# Altium PCB Test.PcbDoc (part 2 of 3) (continued)
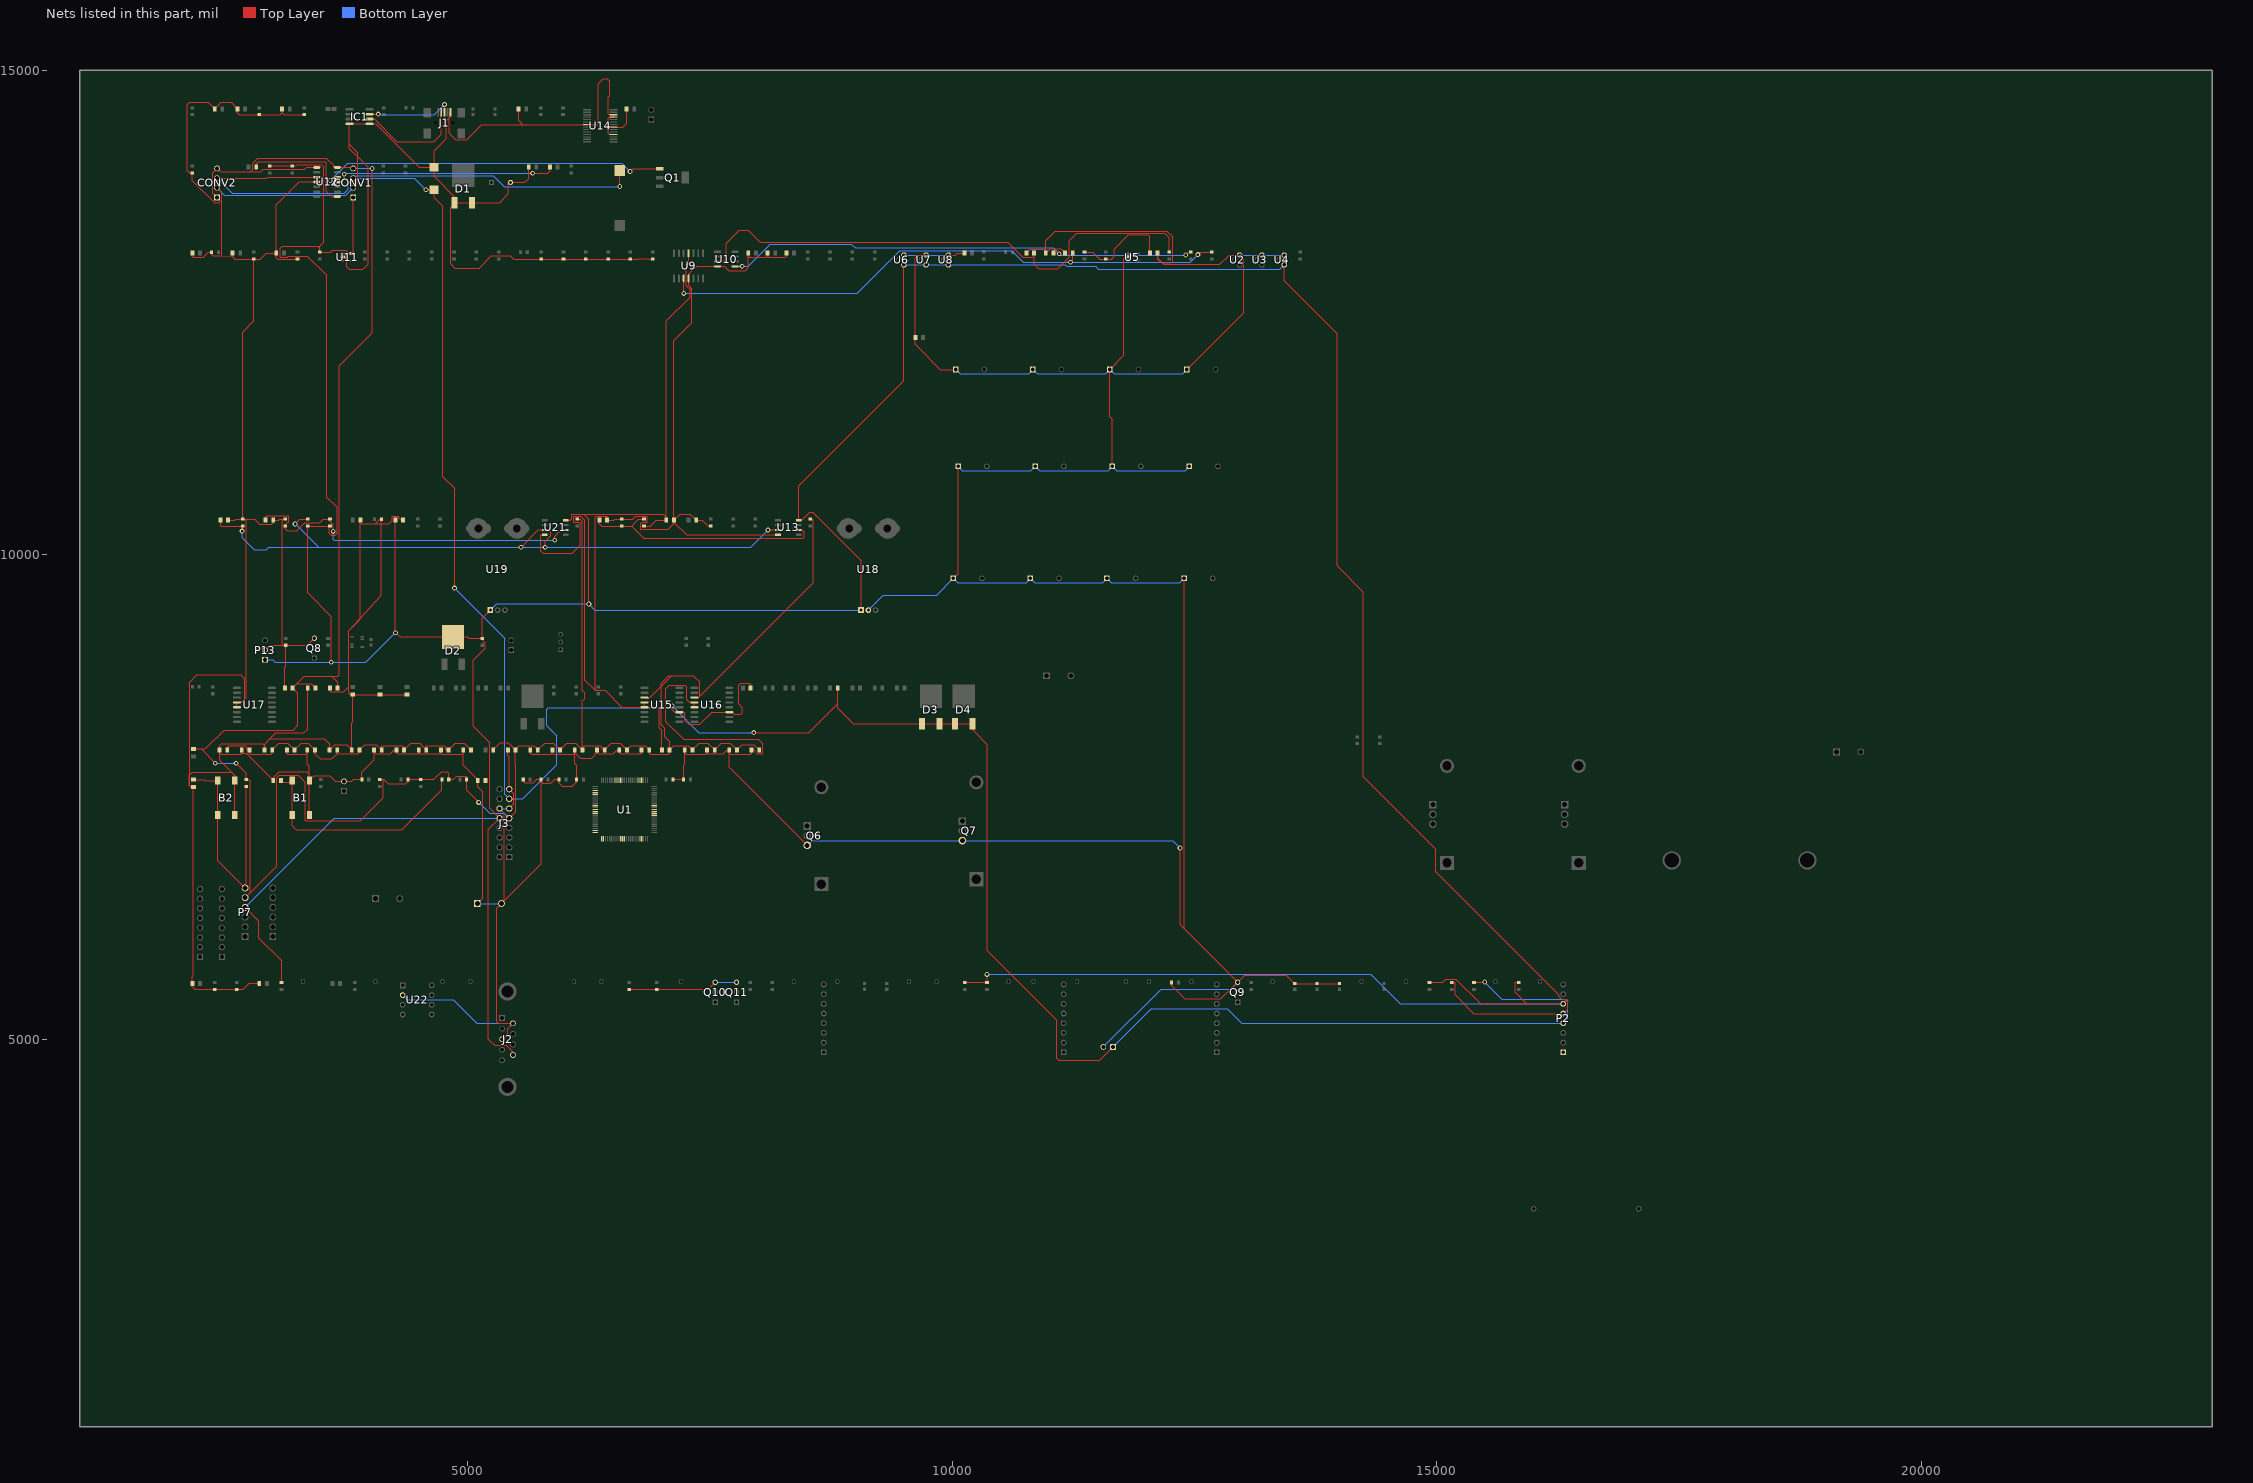
[diagram p2: the nets of this part, all layers, seen from the top]
## Part data (continued)
U12: library part CMP-1093-00004-1, "Step-Down DC/DC Controller, -40 to 150 degC, PG-DSO-14-1, Reel, Green", Manufacturer=Infineon, Tolerance=3%, ComponentLink1Description="Manufacturer URL", ComponentLink1URL=http://www.infineon.com/, ComponentLink2Description=Datasheet, ComponentLink2URL=http://www.infineon.com/dgdl/TLE6389-2-3_DS_21.pdf?folderId=db3a304412b407950112b408e8c90004&fileId=db3a304412b407950112b43641bf65a6&location=en.Products.Power_Management_ICs.DC_DC.DC_DC-Converter__Automotive_.DATASHEET.TLE6389-2-3_DS_21.pdf, ComponentLink3Description="Package Specification", ComponentLink3URL=http://www.infineon.com/dgdl/DCDC-Controller-IFX80471-Data-Sheet-V10-Infineon.pdf?folderId=db3a304314dca3890115039cf70d0bf0&fileId=db3a30432e398416012e487ec6e42599, DatasheetVersion="Rev. 2.1", Green=TRUE, Halogen-free=TRUE, IQ (max)="2,300 mA", Iq (typ)="130 uA", Mounting Technology="Surface Mount", Output="Buck Converter", PackageDescription="14-Pin Plastic (Green) Dual Small Outline Package, 8.65 x 3.9 mm Body, 1.27 mm Pitch", PackageReference=PG-DSO-14-1, PackageVersion=Apr-11, Packing=Reel, PartNumber="TLE6389-2G V50", VQ (max)=5V
U13 U21: library part CMP-1305-00048-1, "Low Offset Voltage Dual Comparators, 2 to 36 V, 0 to 70 degC, 8-Pin SOIC, Pb-Free, Tape and Reel", Manufacturer="On Semiconductor", ComponentLink1Description="Manufacturer URL", ComponentLink1URL=http://www.onsemi.com/, ComponentLink2Description=Datasheet, ComponentLink2URL=http://www.onsemi.com/pub_link/Collateral/LM393-D.PDF, ComponentLink3Description="Package Specification", ComponentLink3URL=http://www.onsemi.com/pub_link/Collateral/751-07.PDF, DatasheetVersion="Rev. 25", ICC Typ (mA)=0.4, IO Typ (mA)=16, Mounting Technology="Surface Mount", PackageDescription="8-Pin Small Outline Integrated Circuit, Body 4.9 x 3.9 mm, Pitch 1.27 mm", PackageReference=SOIC-8-751-07, PackageVersion="Rev. AK, 02/2011", Packing="Tape and Reel", PartNumber=LM393DR2G, RoHS=TRUE, VCC Max (V)=36, VCC Min (V)=2
U14: library part FTDI-CMP28-0078-00029-3, "USB UART Asynchronous Serial Data Transfer Chip, 28-pin SSOP, Tape and Reel", PartNumber=FT232RL-Reel, ComponentLink1Description="Manufacturer URL", ComponentLink1URL=http://www.ftdichip.com/, ComponentLink2Description=Datasheet, ComponentLink2URL=http://www.ftdichip.com/Support/Documents/DataSheets/ICs/DS_FT232R.pdf, DatasheetVersion="ver 2.10, Mar-2012", Manufacturer=FTDI, PackageDescription="28-Pin Small Outline Package 0.65 mm Pitch", PackageReference=SSOP-28, PackageVersion=Mar-12, RevisionNote="DatasheetVersion updated to 2.10 Mar-2012"
U15 U16 U17: library part GATE_DRIVER_2EDS8265HXUMA2, "2EDS8265HXUMA2 / Gate-Driver 8A", Case/Package="SOIC W", Manufacturer=Exar, Max Operating Temperature=70°C, Max Power Dissipation=1.26W, Max Supply Voltage=5.5V, Min Operating Temperature=0°C, Min Supply Voltage=3V, Nominal Supply Current=1mA, Package Quantity=41, Category="RS-232 / RS-422 / RS-485 Interface ICs", ComponentLink1Description=https://datasheet.ciiva.com/22828/0900766b81141d49-22828237.pdf?src-supplier=RSComponents, ComponentLink1URL=https://datasheet.ciiva.com/22828/0900766b81141d49-22828237.pdf?src-supplier=RSComponents, ComponentLink2Description=https://datasheet.ciiva.com/1715/sp3222eb-sp3232eb-103-081414-1715199.pdf?src-supplier=Digi-Key, ComponentLink2URL=https://datasheet.ciiva.com/1715/sp3222eb-sp3232eb-103-081414-1715199.pdf?src-supplier=Digi-Key, ComponentLink3Description=https://datasheet.ciiva.com/16380/sp3232ebca-l-16380121.pdf?src-supplier=Future+Electronics, ComponentLink3URL=https://datasheet.ciiva.com/16380/sp3232ebca-l-16380121.pdf?src-supplier=Future+Electronics, ComponentLink4Description=https://datasheet.ciiva.com/15208/getdatasheetpartid-558353-15208838.pdf?src-supplier=Verical, ComponentLink4URL=https://datasheet.ciiva.com/15208/getdatasheetpartid-558353-15208838.pdf?src-supplier=Verical, Height=2.55mm, Lead Free="Lead Free", Length=10.3mm, Logic Function=Transceiver, Manufacturer Part Number=2EDS8265HXUMA2, Number of Drivers=2, Number of I/Os=4, Number of Pins=16, Number of Receivers=2, Number of Transceivers=1, Number of Transmitters=2, Packaging=Rail/Tube, Propagation Delay=0.15us, Radiation Hardening=No, RoHS=Yes, Series=-, Supplier 1="Allied Electronics", Supply Current=1mA, Width=7.5mm
U18 U19: library part ACS758LCB-CMP-82923-000254-1, "SENSOR CURRENT HALL 50A AC/DC", Current Sensing=50A, Frequency=120kHz, Max Operating Temperature=150°C, Max Supply Current=13.5mA, Max Supply Voltage=5.5V, Min Operating Temperature=-40°C, Min Supply Voltage=3V, Operating Supply Voltage=5V, Output Current=1mA, Package Quantity=34, Quiescent Current=10mA, Accuracy=2%, Bandwidth=120kHz, Height=7mm, Lead Free="Lead Free", Length=10mm, Linearity=1%, Mount="Through Hole", Number of Channels=1, Number of Pins=5, Packaging=Rail/Tube, Polarity=Bidirectional, Radiation Hardening=No, REACH SVHC="No SVHC", Response Time=4us, RoHS Compliant=Yes, Sensitivity=40mV/A, Series=-, Width=13mm
U22: library part CMP-0186-00101-2, "High-Speed CAN Transceiver, 8-Pin PDIP, Industrial Temperature", Code_JEDEC=MS-001, ComponentLink1Description="Manufacturer URL", ComponentLink1URL=http://www.microchip.com/, ComponentLink2Description=Datasheet, ComponentLink2URL=http://ww1.microchip.com/downloads/en/DeviceDoc/21667F.pdf, ComponentLink3Description="Package Specification", ComponentLink3URL=http://www.microchip.com/stellent/groups/techpub_sg/documents/packagingspec/en012702.pdf, DatasheetVersion="revF, Jul-2010", PackageDescription="8-Lead Plastic Dual In-Line (P) - 300 mil Body [PDIP]", PackageReference=PDIP300-P8, PackageVersion="revBB, Aug-2009", RevisionNote="URLs added. DatasheetVersion updated."
CONV1 CONV2: Name=STDN-3A24-ADJ, Reference=100.387.25, Supplier=hestore

## Via types
v1: diameter 50, hole 28, Top Layer to Bottom Layer, 158 vias

## Nets (pads, with @x,y where several pads share a name; then routed paths per layer and width w, separated by ;. In a path a pad name is that pad's centre, name@x,y a point inside that pad or via, vN(x,y) a via of type N, cw(c..) or ccw(c..) an arc to the next point about the centre after c; other vN are vias at no path point)
0.19V: C67.1 R76.2 R77.1 U13.6 | length 2485.9
  Top Layer w10: C67.1@6360.63,10355 6360.63,10320 6386.06,10294.57 R77.1@6590,10294.57 6692,10294.57 ; R76.2@6819.99,10365.43 6762.87,10365.43 6692,10294.57 ; U13.6@8417.87,10255 8448,10255 8472,10231 8472,10180 8461,10169 6817.57,10169 6692,10294.57
1.5625V: C71.1 R83.2 R85.1 U21.6 | length 3641.8
  Top Layer w10: C71.1@2915.63,10355 2915.63,10390 2925.63,10400 3144,10400 3154,10390 3154,10335 3143,10335 3120,10312 R85.1@3120,10294.57 3120,10267 3140,10247 3237.43,10247 3319.43,10329 3475,10329 3511.43,10365.43 R83.2@3579.99,10365.43 3579.99,10346.01 3600,10326 3614,10326 v1(3614,10240) ; v1(5900,10148) 5900,10188 5967,10255 U21.6@6012.87,10255
  Bottom Layer w10: v1(3614,10240) 3614,10160 3626,10148 v1(5900,10148)
1V8: C88.2 C89.2 C90.2 C91.2 C92.2 C93.2 C94.2 C95.2 C96.2 C97.2 C98.2 C99.2 U1.3 U1.14 U1.37 U1.63 U1.81 U1.91 | length 3225.6
  Top Layer w10: C88.2@2519.37,7985 2519.37,8012.29 2533.08,8026 2705,8026 2722,8009 2722,7985 C89.2@2749.37,7985 2749.37,7950 2759.37,7940 2974.37,7940 2984.37,7950 C90.2@2984.37,7985 3053.37,8054 3145.37,8054 C91.2@3214.37,7985 3283.37,8054 3355.37,8054 C92.2@3424.37,7985 3424.37,7947.63 3480,7892 3600,7892 3654.37,7946.37 ; C93.2@3654.37,7985 3654.37,7946.37 ; C96.2@4344.37,7985 C96.2@4344.37,7999.09 ; C99.2@5034.37,7985 4964.37,8055 4874.37,8055 C98.2@4804.37,7985 4777,7985 4777,8009 4760,8026 4574.37,8026 C97.2@4574.37,7985 4507.37,8052 4411.37,8052 4358.46,7999.09 C96.2@4344.37,7999.09 ; 3654.37,7946.37 3656.74,7944 3870,7944 3884.37,7958.37 C94.2@3884.37,7985 3939.37,8040 4059.37,8040 C95.2@4114.37,7985 4114.37,8026 4330,8026 4344.37,8011.63 C96.2@4344.37,7999.09
3.3V: C70.1 R82.2 R84.1 U13.3 U21.3 | length 7135.6
  Top Layer w10: C70.1@2450.63,10355 2450.63,10299 2455.06,10294.57 R84.1@2680,10294.57 2680,10248 v1(2674,10242) ; v1(3221,10317) 3269.43,10365.43 R82.2@3349.99,10365.43 ; v1(5552,10076) 5731,10255 U21.3@5797.13,10255 5837,10255 5858,10234 5858,10194 5800,10136 v1(5800,10076) ; v1(8100,10255) U13.3@8202.13,10255
  Bottom Layer w10: v1(2674,10242) 2674,10175 2800,10049 2923,10049 2950,10076 3462,10076 ; v1(3221,10317) 3462,10076 ; v1(8100,10255) 7921,10076 v1(5800,10076) v1(5552,10076) 3462,10076
3V3: C62.2 C63.2 C64.2 C75.2 C76.2 C77.2 C78.2 C79.2 C80.2 C81.2 C82.2 C83.2 C84.2 C85.2 C86.2 C87.2 C100.2 CONV1.4 CONV2.1 CONV2.4 J3.9 P2.6 P7.5 R7.2 R8.2 R10.2 R11.2 R12.2 R72.2 R78.2 R86.2 R87.2 R96.2 R97.2 R102.2 U1.5 U1.13 U1.25 U1.38 U1.46 U1.61 U1.79 U1.93 U12.1 U12.14 U15.3 U16.3 | length 36282.9
  Top Layer w10: C100.2@2170,7994.37 2249.63,7994.37 ; v1(2396,7848) 2249.63,7994.37 ; CONV2.1@2415,13685 2370,13730 2370,13940 CONV2.4@2415,13985 2451,13949 2760,13949 ; v1(2612,7848) 2714.99,7745.01 R102.2@2714.99,7680.43 2735.57,7680.43 2756,7660 2756,6511 ; P7.5@2705,6460 2756,6511 ; C63.2@3429.37,8625 3388.37,8666 3235.37,8666 ; U12.1@3443.7,13995 3341,13995 3321,13975 2891,13975 2865,13949 2760,13949 ; C64.2@3659.37,8625 3659.37,8683.63 3600,8743 ; CONV1.4@3820,13985 3795.47,13985 3785.47,13995 U12.14@3656.3,13995 3618,13995 3618,14015 3541,14092 2836,14092 2784,14040 2784,13973 2760,13949 ; v1(4016,13985) 4016,12291 3674,11949 3674,8758 3659,8743 3600,8743 ; R10.2@4094.99,7680.43 4118.57,7680.43 ; v1(5114,7444) 4990.43,7567.57 R7.2@4990.43,7680.01 4990.43,7703.57 4980,7714 4885.99,7714 4852,7680.01 R8.2@4805.43,7680.01 4805.43,7741.57 4787,7760 4733,7760 4653.43,7680.43 R12.2@4514.99,7680.43 4450.43,7680.43 4450,7680.01 R11.2@4385.43,7680.01 4385.43,7658.87 4360,7633.43 4180.57,7633.43 4133.57,7680.43 4118.57,7680.43 ; C87.2@5264.37,7985 5337.37,8058 5421.37,8058 C75.2@5494.37,7985 ; J3.9@5430,7280 5498,7348 5498,7825.37 5494.37,7829 C75.2@5494.37,7985 ; R78.2@6129.99,10365.43 6160,10365.43 6185,10340.43 6185,8594.35 6206.7,8572.65 6206.7,8514.35 6184.37,8492.02 6184.37,8026 ; U15.3@6824.88,8525 6882,8525 6998,8641 ; U16.3@7339.88,8525 7382,8525 7397,8540 ; C86.2@8009.37,7985 7954.37,8040 7834.37,8040 C85.2@7779.37,7985 7711.37,8053 7617.37,8053 C84.2@7549.37,7985 7479.37,8055 7389.37,8055 C83.2@7319.37,7985 7276.37,8028 7127.37,8028 C82.2@7084.37,7985 ; R72.2@8534.99,10365.43 8569,10365.43 8569,9712 7397,8540 ; R96.2@10129.99,5585.43 R97.2@10359.99,5585.43 v1(10359.99,5669) ; R87.2@14924.99,5585.43 15059.43,5585.43 15094,5620 15198,5620 15453,5365 15930,5365 ; R86.2@15844.99,5585.43 15811,5585.43 15811,5484 15930,5365 ; P2.6@16305,5365 15930,5365 ; 2249.63,7994.37 2292.37,7994.37 2488,8190 3200,8190 3250,8240 3250,8569.37 C62.2@3194.37,8625 3235.37,8666 ; 2756,6511 3031,6786 3031,7700 3057,7726 3251,7726 3326,7651 3326,7254 3893,7254 4129,7490 4129,7670 4118.57,7680.43 ; 3235.37,8666 3312.37,8743 3600,8743 ; C75.2@5494.37,7985 5535.37,8026 5683.37,8026 C76.2@5724.37,7985 5795.37,8056 5883.37,8056 C77.2@5954.37,7985 6021.37,8052 6117.37,8052 C78.2@6184.37,7985 6184.37,8026 ; 6184.37,8026 6370,8026 6387,8009 6387,7985 C79.2@6414.37,7985 6484.37,8055 6574.37,8055 C80.2@6644.37,7985 6685.37,8026 6833.37,8026 C81.2@6874.37,7985 6874.37,7950 6884.37,7940 7074.37,7940 7084.37,7950 C82.2@7084.37,7985 ; 6998,8641 7109,8752 ; 6998,8641 6998,8672.92 7077.08,8752 7109,8752 ; 6998,8641 6998,8244.46 7032.47,8209.99 7032.47,8119.58 7084.37,8067.68 C82.2@7084.37,7985 ; 7109,8752 7331,8752 7397,8686 7397,8540
  Bottom Layer w10: v1(2396,7848) v1(2612,7848) ; CONV1.4@3820,13985 v1(4016,13985) ; v1(5114,7444) 5228,7330 5380,7330 J3.9@5430,7280 ; v1(10359.99,5669) 14321,5669 14625,5365 P2.6@16305,5365
5V: C66.1 C68.1 CONV1.1 D2.4 J2.9 J3.10 P2.5 P7.4 P13.1 R40.2 R47.2 R48.2 R56.2 R76.1 R82.1 R83.1 R88.2 R93.2 U4.1 U6.1 U7.1 U8.1 U9.11 U11.5 U13.8 U18.1 U19.1 U21.8 | length 48480.3
  Top Layer w10: P7.4@2705,6360 2847,6218 2847,6043 3079.99,5810.01 R93.2@3079.99,5585.43 ; R47.2@2959.99,14010.43 3082.09,14010.43 3084.89,14013.24 3161.96,14013.24 3164.77,14010.43 R48.2@3189.99,14010.43 3232,14010.43 3245.57,14024 3492,14024 3516,14000 3516,13221 3474.99,13179.99 3474.99,13160 ; R83.1@3580,10294.57 R83.1@3574,10294.57 ; v1(3594,8890) 3594,9361 3350,9605 R82.1@3350,10294.57 R83.1@3574,10294.57 ; CONV1.1@3820,13685 3820,13107.4 U11.5@3807.24,13107.4 3776,13107.4 3742.4,13141 3604,13141 3583.43,13120.43 R40.2@3474.99,13120.43 3474.99,13160 ; C68.1@4255.63,10355 v1(4255.63,9194) 4305.63,9150 D2.4@4850,9150 5000,9150 5014.57,9135.43 R56.2@5149.99,9135.43 ; U19.1@5234.8,9427.42 5149.99,9342.61 R56.2@5149.99,9135.43 ; J2.9@5467.95,4836.42 5467.95,4869.05 5401,4936 5279,4936 5215,5000 5215,7165 J3.10@5330,7280 5229,7381 5229,8059.3 5059,8229.3 5059,8909.3 5183.7,9034 5183.7,9095.32 5160,9095.32 R56.2@5149.99,9135.43 ; U21.8@6012.87,10355 6059,10355 6076.29,10372.29 6076.29,10416.18 6200,10416.18 ; v1(6251,9491) 6251,10365.18 6200,10416.18 ; R76.1@6820,10294.57 6886.57,10294.57 6947,10355 C66.1@7050.63,10355 7050.63,10385.37 ; U9.11@7280,13110 7280,13005 7255,12980 7255,12776 7295,12736 7295,12656 7050.63,12411.63 7050.63,10385.37 ; U13.8@8417.87,10355 U13.8@8418,10355 ; U18.1@9059.8,9427.42 9059.8,9935.2 8560,10435 8529,10435 8449,10355 U13.8@8418,10355 ; U6.1@9501.25,12990 9501.25,11796.25 8418,10713 U13.8@8418,10355 ; U4.1@13426.25,12990 13426.25,12824.75 13973,12278 13973,9883 14242,9614 14242,7710 14991,6961 14991,6729 16260,5460 16260,5442 16292,5410 16339.53,5410 16349.53,5400 16349.53,5309.53 P2.5@16305,5265 15382,5265 15189,5458 15189,5585.43 R88.2@15154.99,5585.43 ; 3474.99,13160 3454.99,13180 3089,13180 3069,13160 3069,13069.41 3139,13069.41 3150.59,13081 3348,13081 3549,12880 3549,10593 3654,10488 3654,10220 3634,10200 3594,10200 3574,10220 R83.1@3574,10294.57 ; 6200,10416.18 7019.82,10416.18 7050.63,10385.37
  Bottom Layer w10: P7.4@2705,6360 3625,7280 J3.10@5330,7280 ; P13.1@2910,8915 2990,8915 3015,8890 v1(3594,8890) 3951.63,8890 v1(4255.63,9194) ; U19.1@5234.8,9427.42 5298.38,9491 v1(6251,9491) 6314,9428 9007.58,9427.42 U18.1@9059.8,9427.42 ; U6.1@9501.25,12990 U7.1@9731.25,12990 U8.1@9961.25,12990 11166,12990 11183,12973 11480,12973 11507,12946 13382.25,12946 U4.1@13426.25,12990
10V: C17.1 C50.2 C54.2 CON1.1 CONV1.3 CONV2.3 D3.1 D3.3 D4.1 D4.3 J3.13 L1.2 P2.4 R89.2 U12.3 U15.11 U16.11 | length 31296.1
  Top Layer w10: CONV2.3@2415,13885 2929,13885 2939,13895 U12.3@3443.7,13895 ; v1(4569.94,13764.84) C17.1@4655,13764.84 4655,13684 4745,13594 4745,10806 4866,10685 v1(4866,9654) ; v1(6570,13798) L1.2@6570,13963.07 ; v1(7109,8440) 7109,8406 7140,8375 U15.11@7185.12,8375 7230,8375 7242,8363 7242,8290.19 7284,8248.19 7397,8248.19 7523.81,8375 U16.11@7700.12,8375 7739,8375 7739,8362 7750,8351 7820,8351 7836,8367 7836,8420 7796,8460 7796,8650 7820,8674 7905.37,8674 7919.37,8660 C50.2@7919.37,8625 ; v1(7952,8163) 8520,8163 8819.37,8462.37 ; C54.2@8819.37,8625 8819.37,8462.37 ; CON1.1@11660,4920 11522,4782 11100,4782 11080,4802 11080,5194 10363,5911 10363,8040.16 10210.16,8193 D4.3@10210.16,8256.77 D4.1@10029.84,8256.77 D3.3@9870.16,8256.77 D3.1@9689.84,8256.77 9689.84,8256 8980.37,8256 8819.37,8417 8819.37,8462.37 ; R89.2@15384.99,5585.43 15491.43,5585.43 v1(15496,5590)
  Bottom Layer w10: CONV2.3@2415,13885 2571.13,13728.87 3726.87,13728.87 3768,13770 3768,13833 CONV1.3@3820,13885 ; v1(4569.94,13764.84) 4449.78,13885 CONV1.3@3820,13885 ; v1(4866,9654) 5382,9138 5382,7528 J3.13@5430,7480 5570,7480 5922,7832 5922,8130 5816,8236 5816,8405 5830,8419 7130,8419 ; v1(6570,13798) 5378,13798 5267,13909 3844,13909 CONV1.3@3820,13885 ; v1(7109,8440) 7130,8419 ; v1(7952,8163) 7386,8163 7130,8419 ; CON1.1@11660,4920 12055,5315 12838,5315 12988,5165 P2.4@16305,5165 16350,5210 16350,5384 16320,5414 15672,5414 v1(15496,5590)
/XRS: B1.3 B1.4 C2.2 R8.1 U1.11 | length 2459.8
  Top Layer w10: C2.2@3074.37,7670 3074.37,7651.91 3165.16,7651.91 3165.16,7669.13 B1.3@3191.42,7669.13 B1.4@3191.42,7310.87 3191.42,7200 3232.42,7159 4320,7159 4734.57,7573.57 R8.1@4734.57,7680
Accumulator_GND: B1.1 B1.2 B2.1 B2.2 C1.1 C2.1 C3.2 C4.1 C5.1 C6.1 C7.1 C8.1 C9.1 C10.1 C11.1 C12.1 C13.1 C14.2 C15.1 C17.2 C31.1 C32.1 C33.1 C34.1 C35.1 C36.1 C37.1 C38.1 C39.1 C40.1 C41.1 C42.1 C43.1 C45.1 C46.1 C47.1 C48.1 C49.1 C62.1 C63.1 C64.1 C65.2 C66.2 C67.2 C68.2 C69.2 C70.2 C71.2 C73.1 C74.1 C75.1 C76.1 C77.1 C78.1 C79.1 C80.1 C81.1 C82.1 C83.1 C84.1 C85.1 C86.1 C88.1 C89.1 C90.1 C91.1 C92.1 C93.1 C94.1 C95.1 C96.1 C97.1 C98.1 C99.1 C101.1 C102.1 C103.1 C104.1 CON1.2 CONV1.2 CONV2.2 D1.1 D1.3 DS5.2 DS6.2 DS7.2 IC1.4 IC1.5 J1.5 J2.3 J2.6 J3.11 J3.12 J3.15 J6.1 J6.2 JP1.2 P13.2 Q6.3 Q7.3 Q8.3 Q9.3 Q10.3 Q11.3 R1.2 R2.1 R3.1 R4.1 R5.1 R6.1 R9.1 R32.1 R33.1 R34.1 R35.1 R36.1 R37.1 R41.1 R42.1 R43.1 R49.1 R58.1 R63.1 R64.1 R75.1 R77.2 R81.2 R84.2 R85.2 R91.1 R94.1 R95.1 R100.1 R101.1 U1.4 U1.15 U1.26 U1.27 U1.36 U1.47 U1.60 U1.62 U1.80 U1.90 U1.92 U2.3 U3.3 U4.3 U5.2 U6.3 U7.3 U8.3 U9.4 U10.4 U11.2 U12.4 U13.4 U14.7 U14.18 U14.21 U14.25 U14.26 U15.4 U15.5 U16.4 U16.5 U17.4 U17.5 U18.2 U21.4 U22.2 | length 105811.7
  Top Layer w10: C11.1@2160.63,13110 2160.63,13080 2171.63,13069 2275,13069 2326,13120 R41.1@2359.57,13120 2359.57,13096.43 2370,13086 2462,13086 ; CONV2.2@2415,13785 2462,13738 2462,13651 ; C70.2@2529.37,10355 2599,10355 2609.43,10365.43 R84.2@2679.99,10365.43 ; C12.1@2575.63,13110 2575.63,13080 ; B2.2@2598.58,7310.87 B2.1@2598.58,7669.13 2598.58,7720 2566.58,7752 ; U17.5@2619.88,8425 U17.4@2619.88,8475 2669,8475 2702,8508 ; C89.1@2670.63,7985 2670.63,7950 ; C73.1@2850.63,5575 2747,5575 2686.57,5514.57 R95.1@2620,5514.57 R94.1@2390,5514.57 2186.06,5514.57 2160.63,5540 C74.1@2160.63,5575 2160.63,5647.63 2170,5657 C101.1@2170,7600.63 2146,7600.63 2129,7617.63 ; C90.1@2905.63,7985 2905.63,8026 ; P13.2@2910,9015 2959.57,9064.57 3100,9064.57 ; C48.1@3085.63,14600 3085.63,14560 ; C62.1@3115.63,8625 3115.63,8840 3125,8849.37 R58.1@3125,9064.57 ; R85.2@3119.99,10365.43 3100,10365.43 ; C91.1@3135.63,7985 3135.63,7950 3145.63,7940 3335.63,7940 3345.63,7950 ; R43.1@3245,13049.57 3159.06,13049.57 3158.9,13049.41 3039.13,13049.41 3025.63,13062.91 C13.1@3025.63,13110 ; R64.1@3315,14539.57 3106.06,14539.57 3085.63,14560 ; C92.1@3345.63,7985 3345.63,7950 ; C63.1@3350.63,8625 3350.63,8200 3310.63,8160 3021,8160 2960,8099 ; B1.2@3368.58,7310.87 B1.1@3368.58,7669.13 ; Q8.3@3420,9137.36 3347.2,9064.57 R58.1@3125,9064.57 ; U12.4@3443.7,13845 3261,13845 3025.63,13609.63 C13.1@3025.63,13110 ; C64.1@3580.63,8625 3580.63,8584 3720,8584 3774,8638 ; U11.2@3712.76,13070 3745,13070 3754,13061 3754,12968 3779,12943 3920,12943 3974,12997 3974,13996 3865,14105 ; CONV1.2@3820,13785 3820,13811 3840,13811 3865,13836 3865,14105 ; C69.2@3894.37,10355 3894.37,10316 ; C95.1@4035.63,7985 4035.63,7958.37 ; C96.1@4265.63,7985 C96.1@4265.63,7979 ; C68.2@4334.37,10355 4334.37,10361 4309.32,10361 4290.32,10380 4290.32,10395.59 4220.94,10395.59 4220.94,10351.94 4185,10316 4110.43,10316 ; C104.1@4375,8555.63 C103.1@4095,8555.63 C102.1@3815,8555.63 ; C97.1@4495.63,7985 4495.63,7958.37 ; C98.1@4725.63,7985 4725.63,7944 ; J1.5@4822.99,14564.74 4822.99,14520 ; C99.1@4955.63,7985 4955.63,7950 ; J6.1@5100,6400 5154,6454 5154,7555 5105.63,7603.37 C1.1@5105.63,7670 5105.63,7676 4955.63,7826 4955.63,7950 ; J3.12@5330,7380 5378,7332 5378,6428 ; J2.3@5356.14,5000 5412,5055.86 5412,5107.63 J2.6@5467.95,5163.58 5318.42,5163.58 5302,5180 5302,6352 J6.2@5350,6400 5378,6428 ; C75.1@5415.63,7985 5415.63,7928.37 5430,7914 J3.15@5430,7580 5478,7532 5478,7428 J3.11@5430,7380 ; C46.1@5525.63,14600 5525.63,14480 5567.83,14437.8 ; R6.1@5574.57,7680 5574.57,7660 5588.57,7646 5679,7646 5713,7680 R5.1@5759.57,7680 5759.57,7654 ; C15.1@5630.63,14000 5630.63,13880 5590.63,13840 C14.2@5443.43,13840 5422,13840 5422,13723 5330,13631 5045.16,13631 D1.3@5045.16,13631.77 D1.1@4864.84,13631.77 ; C76.1@5645.63,7985 5645.63,7950 5655.63,7940 5865.63,7940 5875.63,7950 ; U21.4@5797.13,10205 5756,10205 5756,10037 5780,10013 6080,10013 6163.7,10096.7 6163.7,10332.63 6161.76,10334.57 6096.29,10334.57 6096.29,10396.18 6167.82,10396.18 6211,10353 6211,8705 6316,8600 6326,8600 ; C77.1@5875.63,7985 5875.63,7950 ; C78.1@6105.63,7985 6105.63,7954.37 ; C79.1@6335.63,7985 6335.63,7958.37 ; U14.18@6505.83,14335.43 6460,14335.43 6449,14346.43 6449,14401.2 6460,14412.2 ; C80.1@6565.63,7985 C80.1@6565.63,7979 ; C45.1@6640.63,14600 6640.63,14452.83 6600,14412.2 U14.21@6505.83,14412.2 6460,14412.2 ; R100.1@6670,5514.57 R101.1@6950,5514.57 7482.2,5514.57 Q10.3@7555,5587.36 ; C81.1@6795.63,7985 6795.63,7944 6580,7944 6565.63,7958.37 C80.1@6565.63,7979 ; U15.4@6824.88,8475 U15.5@6824.88,8425 ; R37.1@6910,13049.57 6878.7,13049.57 6873.92,13054.34 6758.7,13054.34 6753.92,13049.57 R36.1@6680,13049.57 R35.1@6450,13049.57 R34.1@6220,13049.57 R33.1@5990,13049.57 R32.1@5760,13049.57 5475.43,13049.57 5442,13083 5246,13083 5119,12956 4870,12956 4826,13000 4826,13579.16 4864.84,13618 D1.1@4864.84,13631.77 ; C82.1@7005.63,7985 7005.63,8186.3 6978,8213.93 6978,8407 6960,8425 U15.5@6824.88,8425 ; R1.2@7120.43,7680.01 7174,7680.01 R2.1@7229.57,7680 7229.57,7826 7240.63,7837.06 7240.63,7950 ; C83.1@7240.63,7985 7240.63,7950 ; U16.5@7339.88,8425 U16.4@7339.88,8475 7287,8475 7262,8500 7262,8630 7240,8652 7081,8652 7045.08,8616.08 7045.08,8276.85 7227.93,8094 8000,8094 8045,8049 8045,7944 7980,7944 7958,7985 C86.1@7930.63,7985 7930.63,7950 7920.63,7940 7708.63,7940 7700.63,7948 ; C84.1@7470.63,7985 7470.63,7950 ; R75.1@7510,10294.57 7482.43,10294.57 7422,10355 C65.2@7359.37,10355 7296.74,10417.63 7192,10417.63 C66.2@7129.37,10355 ; C85.1@7700.63,7985 C85.1@7700.63,7979 ; C8.1@7895.63,13110 7895.63,13080 ; C9.1@8095.63,13110 8095.63,13080 ; U13.4@8202.13,10205 7259.37,10205 C66.2@7129.37,10335 ; C10.1@8290.63,13110 8290.63,13079.63 8280,13069 8106.63,13069 8095.63,13080 ; Q6.3@8504.51,6999.61 7700.63,7803.48 7700.63,7948 ; U7.3@9731.25,13090 9646,13090 9620.63,13064.63 C43.1@9620.63,12240 9620.63,12168.37 9879,11910 C31.1@10037.36,11910 ; U8.3@9961.25,13090 10033,13090 10053,13110 C7.1@10125.63,13110 ; C39.1@10012.36,9755 10062.36,9805 C35.1@10062.36,10910 ; C4.1@10765.63,13110 10806.63,13151 10954.63,13151 10965.63,13140 ; C6.1@11165.63,13110 11118,13157.63 11013.26,13157.63 C5.1@10965.63,13110 10965.63,13140 ; C37.1@11652.36,10910 11652.36,11397 11627.36,11422 C33.1@11627.36,11910 11772,12054.64 11772,13060 11782,13070 U5.2@11812.76,13070 ; C3.2@12119.37,13110 12119.37,13058.63 ; R91.1@12264.57,5585 12264.57,5551 12400.57,5415 12772.64,5415 Q9.3@12945,5587.36 ; v1(12352,6972) 12352,6180.36 12393,6139.36 ; C42.1@12392.36,9755 12392.36,9646.64 12393,9646 12393,6139.36 ; C34.1@12422.36,11910 13010,12497.64 13010,13046.25 U2.3@12966.25,13090 12857,13090 12761.54,12994.54 12183.46,12994.54 12169,13009 ; DS7.2@13995,5574.53 DS6.2@13765,5574.53 DS5.2@13535,5574.53 13447.53,5662 13019.64,5662 Q9.3@12945,5587.36 ; 2129,7617.63 2128,8680 2208,8760 2662,8760 2702,8720 2702,8508 ; 2129,7617.63 2129,7721 2160,7752 2566.58,7752 ; C49.1@2391,14600.37 2325.37,14666 2132,14666 2106,14640 2106,13960 2126.43,13939.57 R49.1@2160,13939.57 2160,13858 2389,13629 2440,13629 2462,13651 ; C49.1@2391,14600.37 2390.63,14600.37 C49.1@2390.63,14600 C49.1@2391,14600.37 ; C49.1@2391,14600.37 2456.26,14665.63 2560,14665.63 C47.1@2625.63,14600 2625.63,14560 2646.06,14539.57 R63.1@2850,14539.57 3065.2,14539.57 3085.63,14560 ; 2440.63,7950 C88.1@2440.63,7985 2440.63,8026 2460.63,8046 2885.63,8046 2905.63,8026 ; 2440.63,7950 2440.63,7877.95 2566.58,7752 ; 2440.63,7950 2450.63,7940 2660.63,7940 2670.63,7950 ; 2462,13086 2462,13651 ; 2462,13086 2574.05,13080.08 2575.63,13080 ; 2575.63,13080 2575.63,13073.94 2600,13049.57 R42.1@2795,13049.57 ; 2670.63,7950 2715.63,7950 C2.1@2995.63,7670 2995.63,7700 3054.63,7759 3340,7759 3368.58,7730.42 ; R84.2@2679.99,10365.43 2700,10365.43 ; R84.2@2679.99,10365.43 2679.99,12295.99 2795,12411 R42.1@2795,13049.57 ; 2700,10365.43 2802.57,10365.43 2854,10314 2980,10314 2994.37,10328.37 C71.2@2994.37,10355 3051,10355 3061.43,10365.43 3100,10365.43 ; 2700,10365.43 2714,10351.43 2714,8520 2702,8508 ; R42.1@2795,13049.57 2861.57,13049.57 2922,13110 C13.1@3025.63,13110 ; 2905.63,8026 2905.63,8044.63 2960,8099 ; 2960,8099 3520,8099 3575.63,8043.37 C93.1@3575.63,7985 3630.63,8040 3750.63,8040 C94.1@3805.63,7985 3805.63,8265 3815,8274.37 C102.1@3815,8555.63 ; 3100,9064.57 3086,9078.57 3086,10351.43 3100,10365.43 ; 3100,9064.57 R58.1@3125,9064.57 ; 3345.63,7950 3345.63,7837.95 3368.58,7815 3368.58,7730.42 ; B1.1@3368.58,7669.13 3368.58,7730.42 ; B1.1@3368.58,7669.13 3415.45,7716 3576,7716 3632,7660 JP1.2@3725,7660 3807,7660 3827,7680 R9.1@3909.57,7680 3909.57,7755.57 4035.63,7881.63 4035.63,7958.37 ; 3774,8638 3774,8570 3788.37,8555.63 C102.1@3815,8555.63 ; 3774,8638 3774,9215 ; 3774,9215 3894.37,9345.39 ; 3774,9215 3894.37,9335.37 3894.37,9345.39 ; 3780,14232 3780,14445 IC1.4@3780.67,14445 IC1.5@3989.33,14445 4050,14445 4499.84,13995.16 C17.2@4655,13995.16 ; 3780,14232 3780,14190 3865,14105 ; 3780,14232 3865,14147 3865,14105 ; 3894.37,9345.39 3894.37,10316 ; 3894.37,9345.39 4110.43,9579.43 4110.43,10316 ; 3894.37,10316 4046.99,10316 ; 4035.63,7958.37 4050,7944 4203,7944 4238,7979 C96.1@4265.63,7979 ; 4046.99,10316 4110.43,10316 ; 4046.99,10316 4096,10365.01 R81.2@4110.43,10365.01 4110.43,10316 ; C96.1@4265.63,7979 4265.63,7958.37 4280,7944 4495.63,7944 4495.63,7958.37 ; 4495.63,7958.37 4510,7944 4725.63,7944 ; C17.2@4655,13995.16 4655,14168.24 4780,14293.24 4780,14477 4813,14510.01 ; C17.2@4655,13995.16 4655,13904 4864.84,13694.16 D1.1@4864.84,13631.77 ; 4725.63,7944 4729.63,7940 4945.63,7940 4955.63,7950 ; 4813,14510.01 4813,14348 4880,14281 4990,14281 5146.8,14437.8 5567.83,14437.8 ; 4813,14510.01 4822.99,14520 ; 4813,14510.01 4822.99,14520 ; 5378,6428 5759.57,6809.57 5759.57,7654 ; 5567.83,14437.8 U14.7@6234.17,14437.8 6335,14437.8 6347,14449.8 6347,14857 6400,14910 6440,14910 6465,14885 6465,14735 6449,14719 6449,14551.16 6460,14540.16 U14.26@6505.83,14540.16 U14.25@6505.83,14514.57 6460,14514.57 6449,14503.57 6449,14423.2 6460,14412.2 ; 5759.57,7654 5773.57,7640 5857,7640 5897,7680 R3.1@5944.57,7680 5944.57,7640 5974.57,7610 6080,7610 6124.57,7654.57 R4.1@6124.57,7680 6124.57,7823 6105.63,7841.94 6105.63,7950 ; 5875.63,7950 5885.63,7940 6095.63,7940 6105.63,7950 ; 6105.63,7950 6105.63,7954.37 ; 6105.63,7954.37 6160,7900 6280,7900 6335.63,7958.37 ; 6326,8600 6418,8600 6593,8425 U15.5@6824.88,8425 ; 6326,8600 6316,8610 6316,10384 6328,10396 6439.37,10396 C67.2@6439.37,10355 6509,10355 6519.43,10365.43 R77.2@6589.99,10365.43 6705.43,10365.43 6736.18,10396.18 6854,10396.18 6854,10334.68 6800,10334.68 6786,10320.68 6786,10263 7072.37,10263 7129.37,10320 C66.2@7129.37,10335 ; 6335.63,7958.37 6350,7944 6503,7944 6538,7979 C80.1@6565.63,7979 ; C66.2@7129.37,10335 C66.2@7129.37,10355 ; C66.2@7129.37,10355 7129.37,12207.37 7315,12393 7315,12745 7280,12780 U9.4@7280,12850 7280,12895 7320,12935 7370,12975 U10.4@7578.82,12975 7650,12975 7697.14,12927.86 7863.49,12927.86 7895.63,12960 7895.63,13080 ; 7240.63,7950 7250.63,7940 7460.63,7940 7470.63,7950 ; 7470.63,7950 7470.63,7944 7637,7944 7672,7979 C85.1@7700.63,7979 ; 7700.63,7948 C85.1@7700.63,7979 ; 7895.63,13080 7906.63,13069 8084.63,13069 8095.63,13080 ; 10965.63,13140 10965.63,13240 11063.63,13338 12216,13338 12274,13280 12274,13020 12263,13009 12169,13009 ; 12119.37,13058.63 12119.37,13049.63 12160,13009 12169,13009 ; 12119.37,13058.63 12169,13009 ; 12393,6139.36 Q9.3@12945,5587.36
  Bottom Layer w10: CONV2.2@2415,13785 2491.13,13708.87 3743.87,13708.87 CONV1.2@3820,13785 ; U22.2@4330,5455 4380,5405 4852,5405 5093.42,5163.58 J2.6@5467.95,5163.58 ; J6.1@5100,6400 J6.2@5350,6400 ; J3.12@5330,7380 J3.11@5430,7380 ; Q10.3@7555,5587.36 Q11.3@7775,5587.36 ; Q6.3@8504.51,6999.61 8554.51,7049.61 Q7.3@10104.51,7049.61 12274.39,7049.61 v1(12352,6972) ; U18.2@9135,9427.42 9289.58,9582 9839.36,9582 C39.1@10012.36,9755 10056.36,9711 10763.36,9711 C40.1@10807.36,9755 10851.36,9711 11553.36,9711 C41.1@11597.36,9755 11641.36,9711 12348.36,9711 C42.1@12392.36,9755 ; U6.3@9501.25,13090 U7.3@9731.25,13090 U8.3@9961.25,13090 ; C31.1@10037.36,11910 10081.36,11866 10788.36,11866 C32.1@10832.36,11910 10876.36,11866 11583.36,11866 C33.1@11627.36,11910 11671.36,11866 12378.36,11866 C34.1@12422.36,11910 ; C35.1@10062.36,10910 10106.36,10866 10813.36,10866 C36.1@10857.36,10910 10901.36,10866 11608.36,10866 C37.1@11652.36,10910 11696.36,10866 12403.36,10866 C38.1@12447.36,10910 ; CON1.2@11560,4920 12155,5515 12872.64,5515 Q9.3@12945,5587.36 ; U2.3@12966.25,13090 U3.3@13196.25,13090 U4.3@13426.25,13090
Accumulator_Voltage_Boost: 
BDS: C16.1 U12.11 | length 2312.4
  Top Layer w10: U12.11@3656.3,13845 3700,13845 3727,13872 v1(3727,13924) ; v1(5671,13935) 5825.63,13935 5850.63,13960 C16.1@5850.63,14000
  Bottom Layer w10: v1(3727,13924) 3738,13935 v1(5671,13935)
COMP: C18.2 U12.8 | length 1200.6
  Top Layer w10: C18.2@2819.37,14000 2819.37,14034.37 2840,14055 3533,14055 3544,14044 3544,13751 3600,13695 U12.8@3656.3,13695
D+: IC1.7 J1.3 | length 897.9
  Top Layer w10: IC1.7@3989.33,14545 v1(4078,14545) ; J1.3@4760,14564.74 4760,14643 v1(4761,14644)
  Bottom Layer w10: v1(4078,14545) 4084.7,14538.3 4655.3,14538.3 v1(4761,14644)
D-: IC1.6 J1.2 | length 1093.6
  Top Layer w10: IC1.6@3989.33,14495 4035,14495 4269,14261 4649.5,14261 4728.5,14340 J1.2@4728.5,14564.74
Fuse_Input: P2.1
Fuse_Output: 
GDRV: Q1.1 U12.12 | length 3607.1
  Top Layer w10: v1(3584,13860) 3619,13895 U12.12@3656.3,13895 ; v1(6677,13953) 6704.55,13980.55 Q1.1@6983.11,13980.55
  Bottom Layer w10: v1(3584,13860) 3763,14039 6591,14039 v1(6677,13953)
NetB2_3: B2.3 B2.4 C101.2 P7.6 R102.1 U1.65 | length 2536
  Top Layer w10: C101.2@2170,7679.37 2290,7679.37 2300.24,7669.13 B2.3@2421.42,7669.13 B2.4@2421.42,7310.87 2421.42,6843.58 P7.6@2705,6560 2705,6597 2715,6607 R102.1@2715,7609.57
NetC1_2: C1.2 U1.24
NetC3_1: C3.1 R18.2 R19.1 | length 1026
  Top Layer w10: R18.2@11364.99,13120.43 11449.57,13120.43 11520.43,13049.57 R19.1@11585,13049.57 11640.57,13049.57 11671,13080 11671,13152 11817,13298 12020,13298 12040.63,13277.37 C3.1@12040.63,13110
NetC4_2: C4.2 R15.2 U10.3 | length 5559.2
  Top Layer w10: U10.3@7578.82,13025 7640,13025 7668,13053 7668,13211.8 7803.2,13347 7894.29,13347 8017.29,13224 10575,13224 10730,13069 10833.37,13069 10844.37,13080 ; C4.2@10844.37,13110 10844.37,13080 ; R15.2@12239.99,13120.43 12239.99,13270.01 12192,13318 11287,13318 11209,13240 11209,13069 11091,12951 10893.37,12951 10844.37,13000 10844.37,13080
NetC5_2: C5.2 R16.2 U10.5 | length 4919.6
  Top Layer w10: U10.5@7761.18,12975 v1(7833,12975) ; C5.2@11044.37,13110 11044.37,13104 v1(11105,13104) ; v1(12409.68,13090.68) 12439.43,13120.43 R16.2@12459.99,13120.43
  Bottom Layer w10: v1(7833,12975) 7896.24,12975 8125.24,13204 8961,13204 9000,13165 11044,13165 v1(11105,13104) 11118.32,13090.68 v1(12409.68,13090.68)
NetC6_2: C6.2 R17.2 U9.3 | length 5981.6
  Top Layer w10: v1(7230,12696) U9.3@7230,12850 ; v1(11220,13016) 11244.37,13040.37 C6.2@11244.37,13110 ; v1(12535,13095) 12560.43,13120.43 R17.2@12679.99,13120.43
  Bottom Layer w10: v1(7230,12696) 9020,12696 9458,13134 10616,13134 10734,13016 v1(11220,13016) 12456,13016 v1(12535,13095)